# Altium PCB betrusted_dvt1b-dfm.PcbDoc (part 6 of 6) (continued)
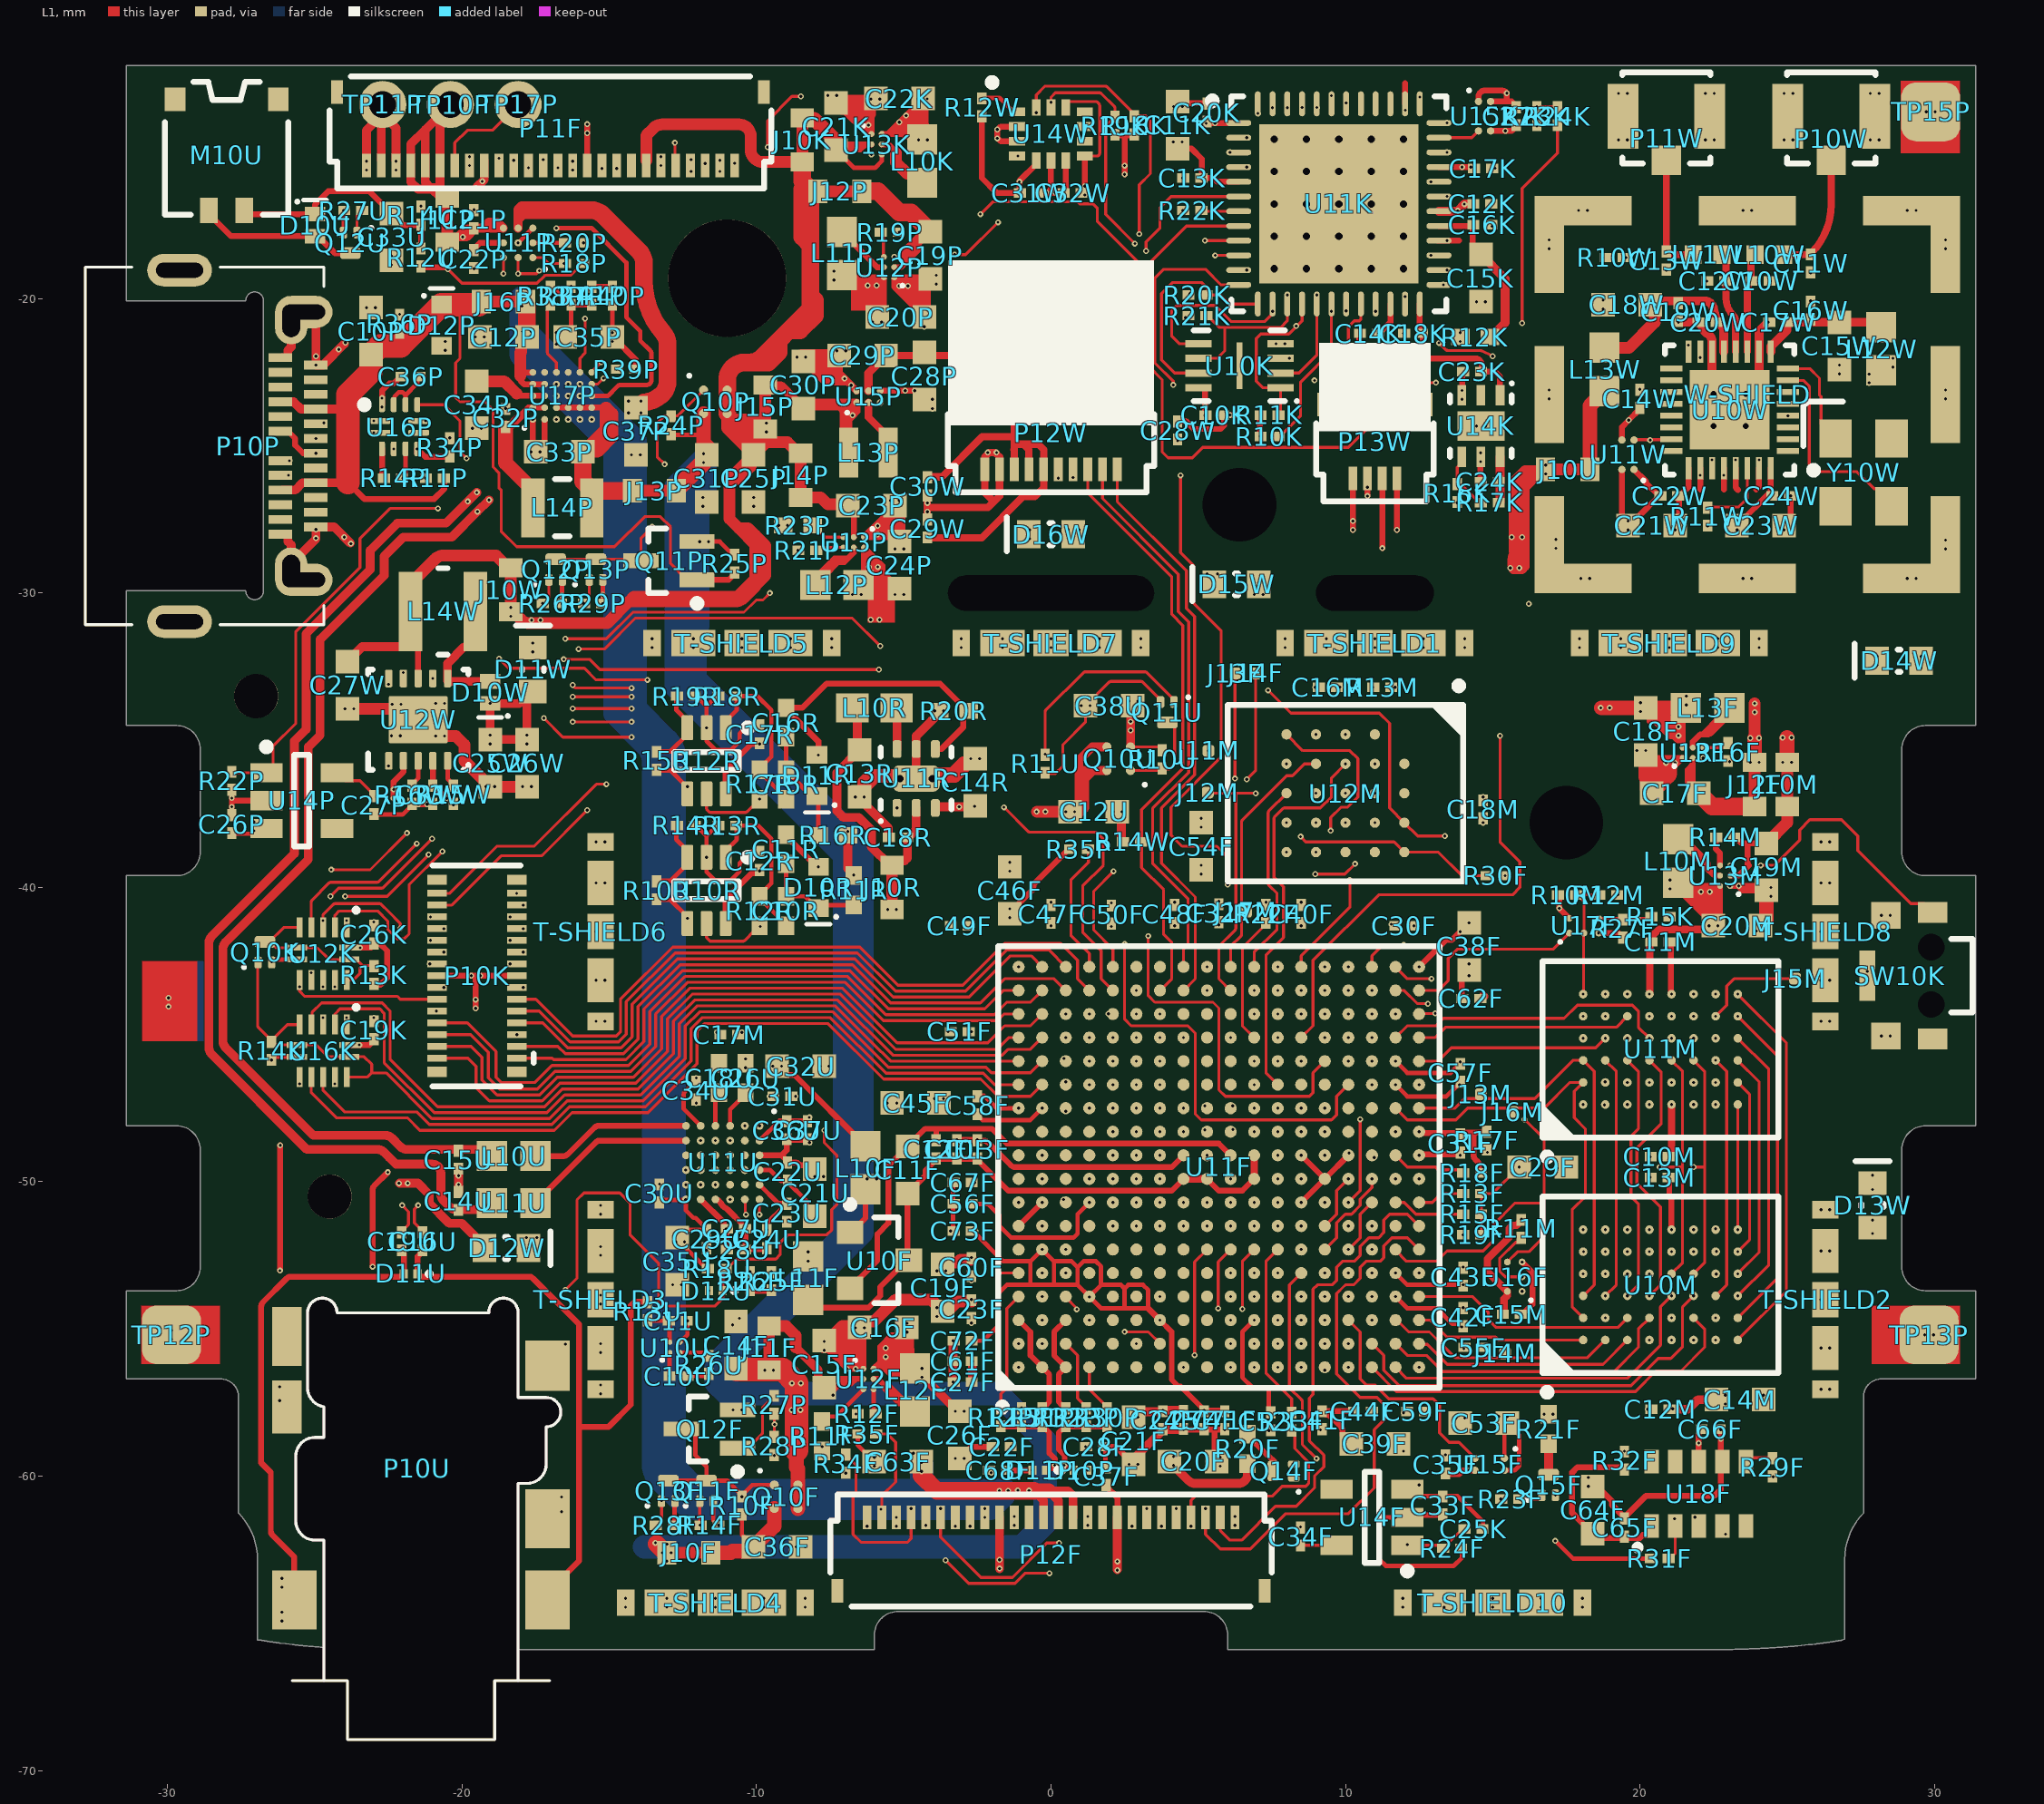
[diagram p0: L1 view]
## Nets (pads, with @x,y where several pads share a name; then routed paths per layer and width w, separated by ;. In a path a pad name is that pad's centre, name@x,y a point inside that pad or via, vN(x,y) a via of type N, cw(c..) or ccw(c..) an arc to the next point about the centre after c; other vN are vias at no path point) (continued)
  L7 w0.3: v2@-9.65,-24.375 -3.749,-24.375 ccw(c-3.749,-24.075) -3.537,-24.287 -1.913,-22.663 cw(c-1.701,-22.875) -1.701,-22.575 12.157,-22.575 13.5,-23.918 13.5,-25.5 14.206,-26.206 v2(15.244,-26.206)
  L7 w0.4: v2@-22.725,-23.6 -22.725,-26.263 -18.544,-30.444 ; v2(-22.725,-23.526) -23.1,-23.901 -23.1,-26.3 -19.013,-30.387 ; -19.9,-42.615 -19.9,-42.4 -24.8,-37.5 -24.8,-33.1 -23.7,-32 -20.2,-32 -19.013,-30.813 ; -19.784,-42.73 -19.55,-42.965 -19.55,-42.275 -24.45,-37.375 -24.45,-33.2 -23.6,-32.35 -20.062,-32.35 -18.635,-30.922 v2(-18.35,-30.638) -18.544,-30.444 ; v2(-19.542,-43.958) v2@-19.542,-43.931 ; v2(-19.542,-43) v2@-19.542,-43.931 ; v2@-19.542,-43.931 -19.9,-43.573 -19.9,-42.846 -20.016,-42.73 -25.008,-37.738 cw(c-24.725,-37.455) -25.125,-37.455 -25.125,-32.975 -23.775,-31.625 -20.252,-31.625 -19.013,-30.387 ; -19.013,-30.813 -18.644,-30.444 -18.544,-30.444 ; -19.013,-30.813 -19.013,-30.387
  L7 w0.5: -19.013,-30.813 -18.905,-30.922 -18.635,-30.922 v2(-17.493,-30.922)
  other v1: -17.643,-30.922 -17.343,-30.922 -18.35,-30.788 15.244,-26.356 15.244,-26.056 -9.669,-24.526 -9.669,-24.226 -22.725,-23.676
  other v2: -9.669,-24.376
WIFI_CS: U10W.31 U11K.32 | length 17.7
  L1 w0.2: 23.95,-26.475 24.05,-26.375 U10W.31@24.05,-25.755
  L2 w0.1: v1(12.9,-16.025) 15.35,-16.025 15.825,-16.5 15.825,-18.3 18.5,-20.975 19.9,-20.975 21.65,-22.725 22.7,-22.725 23,-23.025 23,-24.425 v1(24.05,-25.475)
WIFI_LPCLK: R24K.1 U10W.23 U11F.N15 U11W.2 | length 43.8
  L1 w0.1: U11F.N15@8.5,-45.1 8.9,-44.7 8.9,-42.475 11.125,-40.25 15.675,-40.25 15.925,-40 15.925,-39.125 15.25,-38.45 v1(15.25,-34.85) ; v1(16,-20.825) 16,-16.25 17.2,-15.05 R24K.1@17.2,-14.125 ; U11W.2@19.8,-24.8 19.812,-24.787 21.057,-24.787 U10W.23@21.07,-24.775
  L2 w0.1: v1(15.25,-34.85) 15.25,-34.225 16.225,-33.25 v2(16.225,-30.368) ; v1(16,-20.825) 18.7,-23.525 19.925,-23.525 20.35,-23.95 v2(20.35,-24.8)
  L7 w0.1: v2(16.225,-30.368) 19.042,-27.551 19.042,-25.358 19.6,-24.8 v2(20.35,-24.8)
  other v1: 16.225,-30.368 20.35,-24.8
WIFI_MISO: U10W.28 U11K.27 | length 14.6
  L1 w0.2: 22.85,-26.475 U10W.28@22.85,-25.755
  L2 w0.1: v1(12.9,-18.525) 13.375,-18.525 13.975,-19.125 15.625,-19.125 18.2,-21.7 19.6,-21.7 21.4,-23.5 21.4,-24.925 22.475,-26 v1(22.85,-26)
WIFI_MOSI: U10W.27 U11K.28 | length 13.5
  L1 w0.2: U11K.28@13.139,-18.027 13.859,-18.027
  L2 w0.1: v1(13.45,-18.025) 13.979,-18.025 ; 13.98,-18.025 cw(c13.98,-20.186) 15.507,-18.657 15.509,-18.659 18.302,-21.452 19.702,-21.452 21.65,-23.4 21.65,-24.675 v1(22.45,-25.475)
WIFI_PA: C18W.1 C19W.1 C20W.1 L13W.1 U10W.13 | length 6.4
  L1 w0.3: C18W.1@20.5,-20.2 20.5,-20.175 20.6,-20.075 21.3,-20.075 22.201,-20.075 cw(c22.201,-20.375) 22.491,-20.299 22.625,-20.8 22.65,-20.8 22.85,-21 U10W.13@22.85,-21.795
  L1 w0.4: L13W.1@18.8,-21.665 19.635,-21.665 20.5,-20.8 C18W.1@20.5,-20.2
WIFI_PA_ENABLE: U10W.4 U11K.34 | length 16.6
  L2 w0.1: v1(13.45,-15.025) 15.109,-15.025 cw(c15.109,-15.125) 15.179,-15.054 16.075,-15.95 16.075,-18.225 18.595,-20.745 19.995,-20.745 21.675,-22.425 23.48,-22.425 v1(25.03,-23.975)
WIFI_RES_N: R10W.2 U10W.15 U11K.36 | length 13.2
  L2 w0.1: v1(13.45,-14.025) 14.146,-14.721 ccw(c14.216,-14.65) 14.216,-14.75 16.556,-14.75 19.496,-17.69 cw(c19.425,-17.761) 19.525,-17.761 v1(19.525,-18.598) 19.525,-19.884 ccw(c19.625,-19.884) 19.554,-19.954 21.6,-22 v1(22.05,-22)
WIFI_RF: C15W.1 C16W.1 C17W.1 L12W.1 U10W.9 | length 4.5
  L1 w0.3: U10W.9@24.45,-21.795 24.45,-21.615 24.99,-21.075 24.99,-20.81 25,-20.8 25.025,-20.8 28.035,-20.8 L12W.1@28.2,-20.965
WIFI_RF1: C10W.1 L10W.1 U10W.11 | length 3.4
  L1 w0.243: U10W.11@23.65,-21.795 23.65,-19.702 cw(c24.077,-19.702) 23.775,-19.4 23.775,-18.826 cw(c24.236,-18.826) L10W.1@23.91,-18.5
WIFI_RF1L: C11W.1 L10W.2 P10W.SIG | length 4.3
  L1 w0.243: L10W.2@24.89,-18.5 25.74,-18.5 ccw(c25.74,-18.415) 25.8,-18.475 ccw(c24.11,-16.785) 26.5,-16.785 P10W.SIG@26.5,-15.3
WIFI_RF2: C12W.1 L11W.1 U10W.12 | length 3.4
  L1 w0.243: L11W.1@22.79,-18.5 cw(c22.464,-18.826) 22.925,-18.826 22.925,-19.4 22.925,-19.971 ccw(c23.779,-19.971) 23.175,-20.575 cw(c22.994,-20.756) 23.25,-20.756 U10W.12@23.25,-21.795
WIFI_RF2L: C13W.1 L11W.2 P11W.SIG | length 4
  L1 w0.243: P11W.SIG@20.9,-15.3 20.9,-18.375 ccw(c21.202,-18.073) 21.202,-18.5 L11W.2@21.81,-18.5
WIFI_SCLK: U10W.26 U11K.26 | length 13.1
  L1 w0.2: 22.05,-26.475 U10W.26@22.05,-25.755
  L2 w0.1: v1(13.45,-19.025) 13.8,-19.375 15.466,-19.375 18.08,-21.989 19.48,-21.989 21.15,-23.659 21.15,-25.1 v1(22.05,-26)
WIFI_WIRQ: U10W.29 U11K.31 | length 16.2
  L1 w0.2: U10W.29@23.25,-25.755 23.25,-26.412 23.34,-26.502
  L2 w0.1: v1(13.45,-16.525) 13.646,-16.329 cw(c13.716,-16.4) 13.716,-16.3 15.259,-16.3 cw(c15.259,-16.4) 15.329,-16.329 15.6,-16.6 15.6,-18.425 18.397,-21.222 19.797,-21.222 21.95,-23.375 21.95,-24.55 22.875,-25.475 v1(23.25,-25.475)
WIFI_WUP: U10W.16 U11K.38 | length 14.9
  L1 w0.2: U11K.38@12.026,-13.377 12.026,-12.676
  L2 w0.1: v1(12.031,-13.592) 12.039,-13.6 13.876,-13.6 14.096,-13.821 ccw(c14.167,-13.75) 14.167,-13.85 15.6,-13.85 16.221,-14.471 16.621,-14.471 19.975,-17.825 19.975,-20.031 21.203,-21.258 21.333,-21.258 v1(21.65,-21.575)
XADC_GND: C10F.2 C11F.2 C12F.2 C13F.2 L11F.2 U10F.3 U11F.H9 U11F.J9 U11F.L9 U11F.L10 | length 20.8
  L1 w0.19: L11F.2@-8.25,-54.01 -7.985,-54.275 -6.2,-54.275 -5.8,-53.875 -5.8,-53.575 -4.9,-52.675 -4.85,-52.675 -4.875,-52.65 C11F.2@-4.875,-50.4 -4.267,-49.793 -4.267,-49.617 -3.9,-49.25 -3.9,-49.225 -2.5,-49.225 -2.5,-49.25 -1.45,-50.3 0.274,-50.3 0.334,-50.3 4.1,-50.3 U11F.H9@4.5,-49.9 ; U11F.J9@5.3,-49.9 5.7,-50.3 6.5,-50.3 U11F.L9@6.9,-49.9
  L1 w0.25: U11F.H9@4.5,-49.9 U11F.J9@5.3,-49.9 ; U11F.L9@6.9,-49.9 U11F.L10@6.9,-49.1
XADC_VDD: C10F.1 C13F.1 L10F.2 U10F.1 U11F.H10 | length 14.2
  L1 w0.19: U10F.1@-6.85,-51.725 -6.8,-51.725 -6.3,-51.225 L10F.2@-6.3,-50.26 ; v1(-3.2,-48.575) v1(-2.5,-48.575) ; C13F.1@-2.5,-48.595 -2.29,-48.595 cw(c-2.29,-48.785) -2.155,-48.651 -1.362,-49.444 ccw(c-1.228,-49.31) -1.228,-49.5 2.753,-49.5 4.1,-49.5 U11F.H10@4.5,-49.1
  L2 w0.19: v1(-6.25,-49.9) v1(-5.925,-49.9) -5.575,-49.9 -4.25,-48.575 v1(-3.2,-48.575) v1(-2.5,-48.575)
XADC_VREF: C11F.1 C12F.1 U10F.2 U11F.K10 | length 17.7
  L1 w0.19: U10F.2@-6.85,-53.625 -6.8,-53.625 -6.495,-53.32 -6.495,-53.27 -5.9,-52.675 -5.9,-51.775 -5.525,-51.4 -5.525,-49.45 C11F.1@-4.875,-48.8 -4.27,-48.195 -3.895,-48.195 ; C12F.1@-3.9,-48.575 -3.9,-48.2 -3.895,-48.195 ; U11F.K10@6.1,-49.1 5.7,-48.7 1.134,-48.7 -0.2,-48.7 -1.5,-48.7 -2.005,-48.195 -3.895,-48.195
pads on no net: M10U.0 P10K.0 P10P.A2 P10P.A3 P10P.A8 P10P.A10 P10P.A11 P10P.B2 P10P.B3 P10P.B8 P10P.B10 P10P.B11 P10U.5 P11F.0 P11F.19 P12F.0 P12F.10 P12F.15 P12W.0 P13W.0 SW10K.0 SW10K.1 U10K.9 U10W.1 U10W.2 U10W.3 U10W.5 U10W.6 U10W.17 U10W.18 U10W.19 U10W.20 U10W.21 U10W.22 U10W.24 U11F.A6 U11F.A9 U11F.A10 U11F.A11 U11F.B11 U11F.C7 U11F.C9 U11F.C10 U11F.C11 U11F.D2 U11F.D5 U11F.D6 U11F.D7 U11F.D10 U11F.D11 U11F.E1 U11F.E2 U11F.E3 U11F.E4 U11F.E5 U11F.E6 U11F.F1 U11F.F3 U11F.F4 U11F.F5 U11F.F6 U11F.F18 U11F.G1 U11F.G5 U11F.G6 U11F.G18 U11F.H2 U11F.H3 U11F.H4 U11F.H5 U11F.H6 U11F.H13 U11F.H14 U11F.H16 U11F.J1 U11F.J2 U11F.J3 U11F.J4 U11F.J5 U11F.J13 U11F.J14 U11F.J15 U11F.J16 U11F.K13 U11F.K14 U11F.K16 U11F.N13 U11F.P13 U11F.R11 U11F.R12 U11F.T11 U11F.T12 U11F.U7 U11K.39 U11K.40 U11K.41 U11R.0 U11U.B2 U11U.B3 U11U.B4 U11U.B5 U11U.C3 U11U.C5 U11U.D3 U11U.E3 U11U.F3 U12M.A2 U12M.A3 U12M.B1 U12M.B5 U12M.C5 U14F.4 U14K.2 U14P.4 U14W.9 U14W.10 U14W.11 U17P.B5 U17P.D5 U18F.5 U18F.9 U18F.10 Y10W.2 Y10W.4

## Polygon pours and split planes (outlines as drawn)
P0.95V_T on L7 "P0.95V_T_L05_P000" (solid, remove dead copper, pour order 0): -0.625,-52 0.45,-50.925 0.45,-47.875 1.45,-46.875 9.55,-46.875 10.375,-47.7 10.375,-50.425 9.55,-51.25 9.55,-51.9 8.775,-52.675 7.5,-52.675 6.9,-52.075 5.55,-52.075 4.575,-53.05 4.575,-57.225 3.95,-57.85 3.95,-58.825 4.475,-59.35 4.475,-59.9 2.2,-59.9 1.825,-59.525 -2.175,-59.525 -4.3,-57.4 -5.025,-57.4 -5.825,-56.6 -5.825,-55.65 -4.725,-54.55 -4.725,-53.425 -3.3,-52
P3.3V_A on L2 "P3.3V_A_L02_P001" (solid, remove dead copper, pour order 1): 0.275,-51.925 -0.7,-51.925 -1.525,-52.75 -1.525,-54.3 0.75,-56.575 2.451,-56.575 3.975,-55.051 3.975,-53.649 2.756,-52.43 0.78,-52.43
GND on L3 (split plane): 1165 vertices, not listed, extent -31.148,-65.648 31.148,-12.322
P1.8V on L6 (split plane): 1203 vertices, not listed, extent -31.148,-65.648 31.148,-12.322
P3.3V on L6 (split plane): -18.927,-15.767 -18.927,-16.758 -20.972,-18.803 -20.994,-18.836 -21.002,-18.875 -21.002,-37.1 -20.994,-37.139 -20.972,-37.172 -20.272,-37.872 -20.239,-37.894 -20.2,-37.902 -18,-37.902 -17.961,-37.894 -17.928,-37.872 -12.876,-32.82 -8.218,-32.82 -8.179,-32.813 -8.146,-32.79 -7.628,-32.272 -7.606,-32.239 -7.598,-32.2 -7.598,-28.442 -6.758,-27.602 -5.442,-27.602 -4.502,-28.542 -4.502,-31.2 -4.494,-31.239 -4.472,-31.272 -3.272,-32.472 -3.239,-32.494 -3.2,-32.502 3.9,-32.502 3.939,-32.494 3.972,-32.472 5.642,-30.802 12.4,-30.802 12.439,-30.794 12.472,-30.772 15.972,-27.272 15.994,-27.239 16.002,-27.2 16.002,-25.542 16.442,-25.102 17.058,-25.102 17.298,-25.342 17.298,-29.458 15.778,-30.978 15.128,-31.628 14.043,-32.713 6.785,-32.713 6.746,-32.72 6.713,-32.743 4.658,-34.798 -9.13,-34.798 -9.45,-34.478 -9.483,-34.456 -9.522,-34.448 -10.5,-34.448 -10.539,-34.456 -10.572,-34.478 -10.922,-34.828 -12.872,-36.778 -15.122,-39.028 -15.144,-39.061 -15.152,-39.1 -15.152,-42.876 -18.903,-42.876 -18.942,-42.884 -18.975,-42.906 -21.842,-45.773 -23.483,-45.773 -23.848,-45.408 -23.848,-42.4 -23.848,-33.773 -22.928,-32.853 -22.906,-32.82 -22.898,-32.781 -22.898,-16.942 -21.033,-15.077 -19.617,-15.077
P1.8V_T on L6 (split plane): 15.528,-32.172 15.561,-32.194 15.6,-32.202 23.258,-32.202 24.798,-33.742 24.798,-37.998 20.9,-37.998 20.861,-38.006 20.828,-38.028 18.758,-40.098 17,-40.098 16.961,-40.106 16.928,-40.128 16.678,-40.378 16.656,-40.411 16.648,-40.45 16.648,-42.6 16.648,-49.483 15.178,-50.953 15.156,-50.986 15.148,-51.025 15.148,-53.25 15.156,-53.289 15.178,-53.322 17.689,-55.833 20.078,-58.222 20.111,-58.244 20.15,-58.252 21.898,-58.252 21.898,-61.458 20.858,-62.498 -13.558,-62.498 -14.948,-61.108 -14.948,-39.142 -12.728,-36.922 -10.778,-34.972 -10.458,-34.652 -9.564,-34.652 -9.244,-34.972 -9.211,-34.994 -9.172,-35.002 4.7,-35.002 4.739,-34.994 4.772,-34.972 6.828,-32.917 14.085,-32.917 14.124,-32.909 14.157,-32.887 15.2,-31.844
P3.3V_A on L6 (split plane): 154 vertices, not listed, extent -13.273,-61.198 6.398,-37.002
P0.95V_T on L6 (split plane): 9.198,-47.717 9.198,-48.2 9.206,-48.239 9.228,-48.272 9.328,-48.372 9.361,-48.394 9.4,-48.402 9.858,-48.402 9.998,-48.542 9.998,-48.858 9.578,-49.278 9.556,-49.311 9.548,-49.35 9.548,-51.733 9.058,-52.223 8.65,-52.223 8.611,-52.231 8.578,-52.253 6.833,-53.998 3.3,-53.998 3.261,-54.006 3.228,-54.028 2.828,-54.428 2.806,-54.461 2.798,-54.5 2.798,-56 2.806,-56.039 2.828,-56.072 4.123,-57.367 4.123,-58.5 4.123,-58.825 4.131,-58.864 4.153,-58.897 4.473,-59.217 4.473,-59.708 4.358,-59.823 3.617,-59.823 3.147,-59.353 3.114,-59.331 3.075,-59.323 -3.933,-59.323 -5.948,-57.308 -5.948,-54.692 -3.558,-52.302 -2.342,-52.302 -1.472,-53.172 -1.439,-53.194 -1.4,-53.202 0.1,-53.202 0.139,-53.194 0.172,-53.172 1.372,-51.972 1.394,-51.939 1.402,-51.9 1.402,-47.792 1.617,-47.577 9.058,-47.577
P1.2V on L6 (split plane): 12.898,-12.342 12.898,-15.3 12.906,-15.339 12.928,-15.372 13.828,-16.272 13.861,-16.294 13.9,-16.302 14.908,-16.302 15.298,-16.692 15.298,-21.058 14.658,-21.698 13.842,-21.698 13.402,-21.258 13.402,-18.5 13.394,-18.461 13.372,-18.428 12.472,-17.528 12.439,-17.506 12.4,-17.498 6.842,-17.498 4.397,-15.053 4.364,-15.031 4.325,-15.023 -1.425,-15.023 -1.464,-15.031 -1.497,-15.053 -3.242,-16.798 -6.058,-16.798 -6.998,-15.858 -6.998,-12.322 12.878,-12.322
P1.8V_SBY on L6 (split plane): 24.798,-39.4 24.798,-57.358 24.108,-58.048 20.192,-58.048 17.833,-55.689 15.352,-53.208 15.352,-51.067 16.822,-49.597 16.844,-49.564 16.852,-49.525 16.852,-42.6 16.852,-40.492 17.042,-40.302 18.8,-40.302 18.839,-40.294 18.872,-40.272 20.942,-38.202 24.798,-38.202

## Keep-outs
Keep-Out Layer:
  lines w0.1: -25.65,-59.33 -25.65,-61.525 ccw(c-25,-61.525) -25,-62.175 -24.7,-62.175

## Other copper
L1:
  rectangle net P3.3V: -6.22,-31 -5.3,-29.9
  rectangle net GND: -30.875,-45.225 -29,-42.5
  rectangle net GND: 28.85,-15.05 30.875,-12.6
  rectangle net GND: -30.9,-56.2 -28.225,-54.2
  rectangle net GND: 27.875,-56.2 30.875,-54.2
  rectangle net GND: -5.736,-28.1 -4.95,-27.345
  rectangle net P3.3V: -6.175,-30.05 -5.512,-29.356
  rectangle net GND: -4.725,-20.25 -4.075,-19.45
  rectangle net GND: -5.1,-19.925 -4.075,-19.45
  rectangle net P1.8V: -6.792,-20.4 -5.675,-19.275
  rectangle net P1.8V_SBY: 22.025,-40.869 22.679,-39.95
  rectangle net GND: 20.325,-36.479 21.064,-35.775
L8:
  rectangle net GND: -30.875,-45.225 -28.775,-42.5
  rectangle net GND: 28.875,-15.05 30.875,-12.6
  rectangle net GND: -30.9,-56.2 -28.25,-54.2
  rectangle net GND: 27.875,-56.2 30.85,-54.2
L6 (plane layer: these items are gaps in the copper):
  lines w0.2: -15.05,-42.978 -18.903,-42.978 -21.8,-45.875 -23.525,-45.875 -23.95,-45.45 -23.95,-42.4 -23.95,-33.731 -23,-32.781 -23,-16.9 -21.075,-14.975 -19.575,-14.975 -18.825,-15.725 -18.825,-16.8 -20.9,-18.875 -20.9,-37.1 -20.2,-37.8 -18,-37.8 -12.918,-32.718 -8.218,-32.718 -7.7,-32.2 -7.7,-28.4 -6.8,-27.5 -5.4,-27.5 -4.4,-28.5 -4.4,-31.2 -3.2,-32.4 3.9,-32.4 5.6,-30.7 12.4,-30.7 15.9,-27.2 15.9,-25.5 16.4,-25 17.1,-25 17.4,-25.3 17.4,-29.5 14.085,-32.815 6.785,-32.815 4.7,-34.9 4.09,-34.9 ; -7.6,-34.9 0.4,-34.9 4.08,-34.9 4.1,-34.9 ; -7.1,-12.1 -7.1,-15.9 -6.1,-16.9 -3.2,-16.9 -1.425,-15.125 4.325,-15.125 6.8,-17.6 12.4,-17.6 13.3,-18.5 13.3,-21.3 13.8,-21.8 14.7,-21.8 15.4,-21.1 15.4,-16.65 14.95,-16.2 13.9,-16.2 13,-15.3 13,-12.3 12.8,-12.1 ; -2.9,-34.9 -9.172,-34.9 -9.522,-34.55 -10.5,-34.55 -10.85,-34.9 -12.8,-36.85 -15.05,-39.1 -15.05,-61.15 -13.6,-62.6 20.9,-62.6 22,-61.5 22,-58.15 ; -2.337,-46.725 -2.212,-46.6 -0.525,-46.6 0.625,-45.45 2.69,-45.45 3.34,-44.8 4.7,-44.8 5.825,-43.675 5.825,-42.25 5.425,-41.85 4.5,-40.925 4.5,-37.95 3.45,-36.9 -0.475,-36.9 -0.875,-37.3 -0.875,-39.525 -1.25,-39.9 -2.9,-39.9 -3.8,-40.8 -7.2,-44.2 -7.2,-46.25 -10.075,-49.125 -11.175,-49.125 -11.375,-48.925 -11.375,-48.375 -11.65,-48.1 -12,-48.1 -12.925,-49.025 -12.925,-51.569 -13.225,-51.869 -13.225,-52.688 -12.988,-52.925 -11.525,-52.925 -11.325,-52.725 -11.325,-52.025 -11.5,-51.85 -11.5,-51.3 -11.325,-51.125 -10.425,-51.125 -10.15,-51.4 -10.15,-51.9 -9.825,-52.225 -9.825,-53.25 -11.6,-55.025 -12.875,-55.025 -13.375,-55.525 -13.375,-56.9 -13.175,-57.1 -11.8,-57.1 -9.003,-57.1 -5.253,-60.85 2.206,-60.85 2.656,-61.3 5,-61.3 5.45,-60.85 6.5,-59.8 6.5,-57 4.94,-55.44 4.94,-54.1 ; -2.332,-46.725 -2.341,-46.725 -3,-47.383 -3,-48.5 -3,-50.3 -2.6,-50.7 -0.8,-50.7 0.827,-52.327 ; 15.85,-31.05 15.2,-31.7 15.6,-32.1 23.3,-32.1 24.9,-33.7 24.9,-39.4 ; -6.05,-57.35 -3.975,-59.425 3.075,-59.425 3.575,-59.925 4.4,-59.925 4.575,-59.75 4.575,-59.175 4.225,-58.825 4.225,-58.5 4.225,-57.325 2.9,-56 2.9,-54.5 3.3,-54.1 6.875,-54.1 8.65,-52.325 9.1,-52.325 9.65,-51.775 9.65,-49.35 10.1,-48.9 10.1,-48.5 9.9,-48.3 9.4,-48.3 9.3,-48.2 9.3,-47.675 9.1,-47.475 1.575,-47.475 1.3,-47.75 1.3,-51.9 0.1,-53.1 -1.4,-53.1 -2.3,-52.2 -3.6,-52.2 -6.05,-54.65 -6.05,-57.35 ; 15.25,-53.25 17.761,-55.761 20.15,-58.15 24.15,-58.15 24.9,-57.4 24.9,-38.1 20.9,-38.1 18.8,-40.2 17,-40.2 16.75,-40.45 16.75,-42.6 16.75,-49.525 15.25,-51.025 15.25,-53.25

## Silkscreen, mask and mechanical layers (free items; w line width, h text height)
TopOverlay:
  rectangle: 9.1,-24.5 12.9,-21.5
  rectangle: -3.5,-24.3 3.5,-18.7
  lines w0.1: -25.65,-59.33 -25.65,-61.525 ccw(c-25,-61.525) -25,-62.175 -24.7,-62.175
BottomOverlay:
  rectangle: -26.4,-43.8 -2.1,-38.5
  text "CERN OHL 1.2" at -9.313,-30.798 h1.8
  text "Betrusted Mainboard" at -4.068,-34.03 h2.5
  text "DVT1B" at -4.068,-35.93 h1.8
  text "bunnie" at -20,-35.95 h1.8
  text "04/20" at -11.625,-35.95 h1.8
  text "https://github.com/betrusted-io" at -5,-37.575 h1.5
TopSolder:
  rectangle: 8.825,-22.9 9.075,-22.65
  rectangle: 5.45,-18.65 5.7,-18.4
  rectangle: 5.075,-18.15 5.35,-17.9
  rectangle: 10.175,-23.225 10.45,-22.975
  rectangle: 11.9,-12.75 12.15,-12.5
  rectangle: 23.19,-26.652 23.49,-26.427
  rectangle: 23.8,-26.6 24.075,-26.35
  region: 14.009,-18.177 14.009,-17.877 13.784,-17.877 13.784,-18.177
  rectangle: 22.7,-26.625 23,-26.4
  rectangle: 21.9,-26.625 22.2,-26.4
  rectangle: -31.275,-45.5 -28.95,-42.275
  rectangle: 28.825,-15.15 31.525,-11.95
  rectangle: -31.295,-56.829 -28.125,-53.604
  rectangle: 27.825,-56.85 31.5,-53.625
BottomSolder:
  rectangle: -31.25,-45.5 -28.725,-42.275
  rectangle: 28.825,-15.175 31.5,-11.95
  rectangle: -31.27,-56.829 -28.15,-53.604
  rectangle: 27.825,-56.85 31.475,-53.625
Mechanical 1:
  drawing of 537 lines, arcs and shapes, not listed
Fab drawing:
  drawing of 446 lines, arcs and shapes, not listed
  text "Panelize: 2-up, back-to-back rotated" at -49.5,25.644 h6
  text "Layer" at 50.472,13.521 h1
  text "Name" at 57.479,13.521 h1
  text "Material" at 72.15,13.521 h1
  text "Thickness" at 82.322,13.521 h1
  text "Constant" at 93.327,13.521 h1
  text "Gerber" at 103,13.521 h1
  text "Board Layer Stack" at 111.006,13.521 h1
  text "TopOverlay" at 57.479,11.521 h1
  text "GTO" at 103,11.521 h1
  text "TopSolder" at 57.479,9.521 h1
  text "SM-001" at 72.15,9.521 h1
  text "0.025mm" at 82.322,9.521 h1
  text "4.2" at 93.327,9.521 h1
  text "GTS" at 103,9.521 h1
  text "Second copy of PCB" at -15.4,8.549 h3
  text "1" at 50.472,7.521 h1
  text "L1" at 57.479,7.521 h1
  text "Copper" at 72.15,7.521 h1
  text "0.036mm" at 82.322,7.521 h1
  text "GTL" at 103,7.521 h1
  text "Signal" at 42.55,7.15 h1
  text "0.018mm + 0.018mm plating" at 129.45,7 h1
  text "here for panel, rotate" at -15.4,5.649 h3
  text "Dielectric1" at 57.479,5.521 h1
  text "PP-006" at 72.15,5.521 h1
  text "0.071mm" at 82.322,5.521 h1
  text "3.8" at 93.327,5.521 h1
  text "2" at 50.472,3.521 h1
  text "L2" at 57.479,3.521 h1
  text "Copper" at 72.15,3.521 h1
  text "0.036mm" at 82.322,3.521 h1
  text "G1" at 103,3.521 h1
  text "Signal" at 42.55,3.15 h1
  text "0.018mm + 0.018mm plating" at 129.425,3.1 h1
  text "180 degrees" at -15.4,2.811 h3
  text "Dielectric 4" at 57.479,1.521 h1
  text "PP-006" at 72.15,1.521 h1
  text "0.071mm" at 82.322,1.521 h1
  text "3.8" at 93.327,1.521 h1
  text "(back-to-back)" at -15.4,-0.089 h3
  text "3" at 50.472,-0.479 h1
  text "L3" at 57.479,-0.479 h1
  text "Copper" at 72.15,-0.479 h1
  text "0.018mm" at 82.322,-0.479 h1
  text "GP1" at 103,-0.479 h1
  text "Plane" at 42.55,-0.85 h1
  text "Dielectric2" at 57.479,-2.479 h1
  text "Core-027" at 72.15,-2.479 h1
  text "0.229mm" at 82.322,-2.479 h1
  text "4.5" at 93.327,-2.479 h1
  text "4" at 50.472,-4.479 h1
  text "L6" at 57.479,-4.479 h1
  text "Copper" at 72.15,-4.479 h1
  text "0.018mm" at 82.322,-4.479 h1
  text "GP2" at 103,-4.479 h1
  text "Plane" at 42.4,-4.975 h1
  text "SE 50 ohm - 0.243mm - L1 only" at 2.2,-5 h1
  text "Dielectric3" at 57.479,-6.479 h1
  text "PP-006" at 72.15,-6.479 h1
  text "0.071mm" at 82.322,-6.479 h1
  text "3.8" at 93.327,-6.479 h1
  text "Notch in panel rail" at -79.4,-7.719 h3
  text "5" at 50.472,-8.479 h1
  text "L7" at 57.479,-8.479 h1
  text "Copper" at 72.15,-8.479 h1
  text "0.036mm" at 82.322,-8.479 h1
  text "G2" at 103,-8.479 h1
  text "0.018mm + 0.018mm plating" at 129.35,-8.9 h1
  text "Signal" at 42.4,-8.975 h1
  text "Dielectric 5" at 57.479,-10.479 h1
  text "PP-006" at 72.15,-10.479 h1
  text "0.071mm" at 82.322,-10.479 h1
  text "3.8" at 93.327,-10.479 h1
  text "required for connector" at -79.4,-10.583 h3
  text "6" at 50.472,-12.479 h1
  text "L8" at 57.479,-12.479 h1
  text "Copper" at 72.15,-12.479 h1
  text "0.036mm" at 82.322,-12.479 h1
  text "GBL" at 103,-12.479 h1
  text "Signal" at 42.4,-12.975 h1
  text "0.018mm + 0.018mm plating" at 129.45,-13 h1
  text "clearance (>1mm" at -79.4,-13.446 h3
  text "BottomSolder" at 57.479,-14.479 h1
  text "SM-001" at 72.15,-14.479 h1
  text "0.025mm" at 82.322,-14.479 h1
  text "4.2" at 93.327,-14.479 h1
  text "GBS" at 103,-14.479 h1
  text "clearance ring)" at -79.4,-16.346 h3
  text "BottomOverlay" at 57.479,-16.479 h1
  text "GBO" at 103,-16.479 h1
  text "Thickness: 0.75mm +/- 0.1mm finished" at 50.35,-19.42 h1
  text "Soldermask: green / Silk: white, Finish: ENIG 1-3u\"" at 50.6,-23.77 h1
  text "Impedance control on L1 and L2 only as noted, to +/- 10%" at 50.4,-28.5 h1
  text "Diff 90 - L2 0.102mm" at -71.2,-37.299 h1.5
  text "V-score to PCB edge" at -76.3,-51.9 h3
  text "Adjust rail width as" at 53,-52.019 h3
  text "necessary, add" at 53,-54.887 h3
  text "standard fiduciaries" at 53,-57.787 h3
  text "and tooling holes" at 53,-60.646 h3
  text "Diff 90 - L1 0.187mm" at -34.6,-72.2 h1.5
3D Notes:
  drawing of 365 lines, arcs and shapes, not listed
  text "battery: 60(+2) x 61 wide x 3mm thick (max dim, no tolerance)" at -44.9,-3.3 h0.3
  text "LCD FPC mating line" at -10.5,-6.3 h0.3
  text "3.2mm dia boss flush + screw + washer" at 31.1,-6.4 h0.3
  text "FPC connector entry edge" at -11.1,-8 h0.3
  text "65mm to v1 speakerbox from this line" at -43.3,-8.9 h0.3
  text "2.3mm clearance to LCD" at -7.1,-9.2 h0.3
  text "LCD glass edge (final - need to stretch \"up\" by 2mm))" at -16.1,-11.1 h0.3
  text "LCD glass edge (v1)" at -3,-13.1 h0.3
  text "Keyboard PCB edge" at 21.6,-19.5 h0.3
  text "3.2mm dia boss through to kbd + nut" at -6.7,-19.8 h0.3
  text "Key cap + film" at 98.175,-20.65 h0.3
  text "Pusher (0.2-0.3mm?)" at 98.125,-21.3 h0.3
  text "Key cap edge" at -24.2,-21.8 h0.3
  text "Front bezel" at 86.175,-21.975 h0.3
  text "Key switch" at 98.15,-21.975 h0.3
  text "1.4mm locator peg" at 21.5,-22.7 h0.3
  text "Mid-frame construction" at 47.3,-23.3 h0.3
  text "Combo front/mid-frame unibody" at 68.7,-23.3 h0.3
  text "Kbd PCB (0.8mm) @ 2.5mm conn" at 103.675,-24.57 h0.3
  text "Kbd PCB (1.3mm) @ 2.0mm conn" at 93.975,-24.77 h0.3
  text "Bezel" at 47.4,-24.9 h0.3
  text "Bezel" at 68.6,-24.9 h0.3
  text "Mainboard" at 51.1,-25.8 h0.3
  text "Mainboard" at 72.3,-25.8 h0.3
  text "audio" at 112.8,-26.2 h0.3
  text "USB-C" at 117.3,-26.2 h0.3
  text "3.2mm dia boss to kbd no nut" at 21.4,-26.6 h0.3
  text "kbd conn / (2.0mm)" at 99.7,-26.7 h0.3
  text "kbd conn / (2.5mm)" at 105.1,-26.7 h0.3
  text "3.2mm dia boss flush + screw + washer" at -24.6,-26.8 h0.3
  text "1.5mm clearance to keyboard" at -1.3,-27.1 h0.3
  text "Al side" at 44.8,-27.1 h0.3
  text "Component area / 1.5mm max height" at 53.1,-27.3 h0.3
  text "Al body" at 66,-27.3 h0.3
  text "Component area / 1.5mm max height" at 74.3,-27.3 h0.3
  text "Main PCB (0.8mm)" at 93.3,-28 h0.3
  text "Keyboard" at 51.2,-28.2 h0.3
  text "Keyboard" at 72.4,-28.2 h0.3
  text "Rear aluminum (1.7mm total)" at 94.425,-29.175 h0.3
  text "Bezel" at 47.4,-29.7 h0.3
  text "Keycap" at 51.4,-30 h0.3
  text "Keycap" at 72.6,-30 h0.3
  text "Dome switch" at 56.1,-31 h0.3
  text "Dome switch" at 77.3,-31 h0.3
  text "Standard screw: DIN965 TX M1.4 / Blind hole depth min = 2.8mm (tap to ~2mm)" at 87.825,-34.825 h1
  text "Key cap + film" at 97.375,-37.25 h0.3
  text "Pusher (0.2-0.3mm?)" at 97.325,-37.9 h0.3
  text "Front bezel" at 85.375,-38.575 h0.3
  text "Key switch" at 97.35,-38.575 h0.3
  text "Kbd PCB (1.0mm) @ 3.0mm conn" at 110.8,-41.3 h0.3
  text "Kbd PCB (1.5mm) @ 2.5mm conn" at 101.9,-41.5 h0.3
  text "Kbd PCB (2.0mm) @ 2.0mm conn" at 92.1,-41.7 h0.3
  text "audio" at 116.5,-43.5 h0.3
  text "USB-C / orig" at 121,-43.5 h0.3
  text "USB-C / mid" at 125.8,-43.9 h0.3
  text "kbd conn / (2.0mm)" at 98.9,-44 h0.3
  text "kbd conn / (2.5mm)" at 104.3,-44 h0.3
  text "kbd conn / (3.0mm)" at 111.2,-44 h0.3
  text "Main PCB (0.8mm)" at 92.5,-45.3 h0.3
  text "Rear aluminum (1.0mm total)" at 93.6,-46.1 h0.3
  text "M1.4" at 59.6,-47.1 h1
  text "2.5mm" at 57.7,-51.2 h1
  text "Insert nut" at 67.4,-56.1 h1
  text "3.2mm dia boss through to kbd + nut" at 15.7,-60 h0.3
  text "3.2mm dia boss through to kbd + nut" at -24,-60.1 h0.3
  text "2.1mm" at 57.3,-61.5 h1
  text "3.2mm dia boss flush + screw + washer" at -3.1,-64.5 h0.3
  text "2.5mm" at 40,-66.5 h1
  text "3.8mm" at 59,-67.2 h1
  text "Plastic boss dimenisons" at 67.2,-69.4 h1
Dimensions:
  drawing of 2274 lines, arcs and shapes, not listed
Dims-corrected:
  drawing of 7120 lines, arcs and shapes, not listed

## Dimensions
5.1,-7.5 to 5.2,-6.2 on 3D Notes
4.3,-11.2 to 5.2,-6.2 on 3D Notes